# KiCad board poly_kb_wave_left2.kicad_pcb (continued)
## Routing (per net, layer and track width the routed paths; a pad name or vN(x,y) marks a point on that pad's centre or on a via; arc(x,y) is an arc through that point) (continued)
/RpPico/QSPI_SD0: length 13.1
  Bottom w0.229: U9.5 163.85,110.05 164.09,109.8 164.92,109.8 165.33,109.39 165.41,109.33 165.5,109.3 165.54,109.3 165.59,109.3 165.68,109.33 165.76,109.39 165.81,109.46 165.84,109.55 165.85,109.65 165.87,109.74 165.93,109.82 166.01,109.87 166.1,109.9 166.14,109.9 166.29,109.9 166.34,109.9 166.43,109.87 166.51,109.82 166.56,109.74 166.59,109.65 166.6,109.56 166.62,109.47 166.68,109.39 166.76,109.33 166.85,109.3 166.89,109.3 166.94,109.3 167.03,109.33 167.11,109.39 167.16,109.47 167.19,109.56 167.2,109.65 167.22,109.74 167.28,109.82 167.36,109.87 167.45,109.9 167.49,109.9 167.79,109.9 167.91,109.78 167.91,109.02 167.79,108.9 165.3,108.9 164.95,109.25 163.51,109.25 163.43,109.17 163.31,109.17 163.15,109.01 U10.53 ; 163.54,110.6 163.54,110.6
/RpPico/QSPI_SD1: length 13.1
  Bottom w0.229: U9.2 167.77,112.22 168.3,112.22 arc(168.51,112.31) 168.6,112.52 168.6,112.55 arc(168.69,112.77) 168.9,112.85 arc(169.11,112.77) 169.2,112.55 169.2,112.52 arc(169.29,112.31) 169.5,112.22 169.83,111.89 169.83,108.55 169.41,108.12 164.9,108.12 164.71,108.32 164.71,108.32 164.54,108.49 164.17,108.49 163.95,108.27 U10.55
/RpPico/QSPI_SD2: length 13.1
  Bottom w0.229: U10.54 163.55,108.41 164.01,108.87 164.78,108.87 165.14,108.5 168.94,108.5 arc(169.16,108.59) 169.24,108.8 arc(169.16,109.01) 168.94,109.1 168.6,109.1 arc(168.39,109.19) 168.3,109.4 arc(168.39,109.61) 168.6,109.7 169,109.7 arc(169.21,109.79) 169.3,110 arc(169.21,110.21) 169,110.3 168.8,110.3 arc(168.59,110.39) 168.5,110.6 arc(168.59,110.81) 168.8,110.9 168.79,110.9 arc(169.01,110.99) 169.09,111.2 arc(169.01,111.41) 168.79,111.5 168.44,111.5 168.44,111.5 168.34,111.4 U9.3
/RpPico/QSPI_SD3: length 13.1
  Bottom w0.229: U9.7 163.39,112.2 163.14,112.45 163.14,114.05 163.44,114.35 163.44,115.69 163.23,115.9 162.94,115.9 162.74,115.7 162.74,111.5 162.35,111.11 U10.51
/RpPico/QSPI_SS: length 17
  Bottom w0.229: 167.99,113.24 169.21,113.24 170.3,112.15 170.3,108.4 169.55,107.65 164.85,107.65 164.72,107.78 U10.56 ; 167.99,113.24 U9.1 ; 167.99,113.24 167.99,115.09 R21.1 R20.2
/RpPico/RUN: length 294.4
  Top w0.229: 149.49,74.2 148.86,73.56 148.86,63.66 147.59,62.4 v2(147.59,57.6) ; 149.49,74.2 152.35,77.05 152.35,96.55 v2(152.09,96.8) ; 149.49,74.2 149.29,74
  Top w0.254: v2(4.54,81.45) 4.55,81.45 4.55,40.05 16.89,27.7 16.89,24.8 19.49,22.2 68.59,22.2 72.19,18.6 121.19,18.6 125.29,14.5 138.59,14.5 v2(142.59,18.5)
  In2.Cu w0.254: v2(142.59,18.5) 142.59,32.21 147.67,37.28 147.67,57.53 v2(147.59,57.6)
  Bottom w0.229: 155.99,98.8 158.33,98.8 159.95,100.42 U10.26 ; 155.99,98.8 154.09,98.8 v2(152.09,96.8) ; 155.99,98.8 154.69,98.8
  Bottom w0.254: v2(4.54,81.45) 3.2,81.45 SW3.2 2.74,81.9 2.74,86.51 SW3.2
/RpPico/SWCLK: length 10.8
  Bottom w0.229: DBG1.3 158.59,93.12 158.59,97.86 160.75,100.02 U10.24
/RpPico/SWD: length 5.6
  Bottom w0.229: DBG1.1 157.09,96.9 160.35,100.16 U10.25
/RpPico/USB_D+: length 22.5
  Bottom w0.254: 156.3,113.75 158.86,111.19 160.57,111.19 R22.1 ; 161.75,119.5 161.75,117.46 162.04,117.18 U11.10 U11.1 162.04,112.66 R22.1 ; R22.1 160.62,112.5 160.62,113.83 160.43,114.02 160.43,114.52 160.54,114.63 U11.4 U11.7 160.54,117.1 160.75,117.31 160.75,119.5
/RpPico/USB_D-: length 17.1
  Top w0.254: v2(160.04,112.89) 160.07,112.93 v2(161.24,112.93)
  Bottom w0.254: 160.25,119.5 160.25,117.39 160.04,117.18 U11.6 U11.5 160.02,115.79 160.02,113.82 ; 160.02,113.82 160.02,113.13 ; 160.02,113.82 159.97,113.77 158.93,113.77 ; v2(161.24,112.93) 161.24,113.66 161.62,114.04 161.62,114.54 161.54,114.63 U11.2 U11.9 161.54,117.1 161.25,117.39 161.25,119.5 ; 160.04,113.12 160.04,112.16 R23.1 ; v2(160.04,112.89) 160.02,112.88
/RpPico/XIN: length 5.9
  Bottom w0.229: 163.13,97.27 162.35,98.05 U10.20 ; 163.13,97.27 163.1,97.24 Y1.1 ; 163.13,97.27 C3.2
/RpPico/XOUT: length 5.2
  Bottom w0.229: U10.21 161.95,97.43 161.24,96.72 R19.2
/RpPico/~{USB_BOOT}: length 217.9
  Top w0.25: v2(87.09,125.3) 86.19,126.2 67.89,126.2 66.29,124.6 50.59,124.6 47.99,122 34.62,122 32.62,120 16.09,120 15.34,119.25 ; v2(167.32,117.48) 167.32,121.87 166.29,122.9 153.63,122.9 151.62,124.91 111.18,124.91 110.39,125.7 100.09,125.7 94.99,120.6 v2(94.29,120.6)
  Top w0.254: 15.34,119.25 4.72,108.63 4.72,83.33 3.64,82.25 3.64,80.35 v2(3.89,80.1)
  Bottom w0.25: v2(167.32,117.48) 167.34,117.46 R21.2 ; v2(94.29,120.6) 90.29,120.6 87.99,122.9 87.99,124.4 v2(87.09,125.3)
  Bottom w0.254: v2(3.89,80.1) 3.07,79.28 SW2.2 2.74,78.71 2.74,74.1 SW2.2
/SCLK1: length 134.7
  In1.Cu w0.3: v2(26.39,45.1) 26.39,58.37 22.98,61.79 22.98,62.26 ; 22.98,119.41 22.98,118.29 26.39,114.88 26.39,102.77 24.62,101 ; 24.31,62.58 23.22,62.58 22.97,62.33 ; 24.31,62.58 24.97,63.25 ; 24.31,62.58 24.97,63.25 ; 24.31,100.68 24.62,101 ; 24.31,100.68 24.62,101 ; 24.31,100.68 23.22,100.68 22.97,100.43 ; 24.97,63.25 26.24,64.52 26.24,77.57 22.98,80.84 22.98,81.31 ; 22.97,81.38 23.22,81.63 24.31,81.63 ; 24.87,82.2 26.39,83.72 26.39,96.47 22.98,99.89 22.98,100.36 ; 24.87,82.2 24.31,81.63 ; 24.87,82.2 24.31,81.63
  In2.Cu w0.254: v2(22.97,100.36) 22.21,99.6 19.99,99.6 18.89,100.7 13.89,100.7 9.79,104.8 v2(6.29,104.8)
  Bottom w0.254: U15.4 v2(6.29,104.8) ; J30.11 25.6,41.01 26.39,41.8 v2(26.39,45.1)
  Bottom w0.3: v2(22.97,100.36) 20.85,98.24 20.85,96.45 ; 20.85,115.5 20.85,117.29 v2(22.97,119.41) ; 20.85,58.35 20.85,60.14 v2(22.97,62.26) ; v2(22.97,81.31) 20.85,79.19 20.85,77.4
/SCLK2: length 134.1
  In1.Cu w0.3: 46.78,62.26 46.78,61.09 50.19,57.68 50.19,45.62 v2(49.48,44.91) ; 48.11,100.68 48.42,101 ; 48.42,101 50.19,102.77 50.19,115.52 46.78,118.94 46.78,119.41 ; 48.42,101 47.9,100.48 46.82,100.48 46.77,100.43 ; 46.77,62.33 46.82,62.38 47.9,62.38 48.77,63.25 ; 48.11,81.63 48.67,82.2 ; 48.67,82.2 50.19,83.72 50.19,95.68 46.78,99.1 46.78,100.36 ; 48.67,82.2 47.87,81.4 46.93,81.4 v2(46.74,81.22) ; 48.77,63.25 50.19,64.67 50.19,76.48 46.78,79.9 46.78,81.31 ; 48.77,63.25 48.11,62.58
  Bottom w0.254: J31.11 44.65,41.04 47.81,44.2 48.77,44.2 v2(49.48,44.91)
  Bottom w0.3: v2(46.74,81.22) 46.68,81.22 44.65,79.19 44.65,77.4 ; 44.65,115.5 44.65,117.29 v2(46.77,119.41) 46.77,120.33 44.69,122.4 36.49,122.4 35.28,121.19 35.28,120.15 34.78,119.65 32.85,119.65 U13.4 ; v2(46.77,62.26) 44.65,60.14 44.65,58.35 ; 44.65,96.45 44.65,98.24 v2(46.77,100.36)
/SCLK3: length 129.9
  Top w0.254: v2(54.09,121.9) 54.79,122.6 65.03,122.6 v2(65.82,121.81)
  In1.Cu w0.3: 65.83,83.71 65.83,83.24 69.24,79.82 69.24,67.07 67.82,65.65 ; 67.16,64.98 67.82,65.65 ; 67.16,64.98 66.07,64.98 65.82,64.73 ; 67.16,64.98 67.82,65.65 ; 67.16,103.08 66.07,103.08 65.82,102.83 ; 67.16,103.08 67.47,103.4 ; 67.16,103.08 67.47,103.4 ; 67.16,84.03 67.72,84.6 ; 67.16,84.03 67.72,84.6 ; 67.16,84.03 66.07,84.03 65.82,83.78 ; 67.72,84.6 69.24,86.12 69.24,98.87 65.83,102.29 65.83,102.76 ; 67.47,103.4 69.24,105.17 69.24,117.92 65.83,121.34 65.83,121.81 ; 69.24,48.02 69.24,48.4 ; 69.24,48.4 69.24,60.77 65.83,64.19 65.83,64.66 ; 69.24,48.4 v2(69.24,47.35)
  Bottom w0.254: v2(69.24,47.35) 68.49,46.6 66.99,46.6 63.7,43.31 J32.11 ; U17.4 54.04,121.85 v2(54.09,121.9)
  Bottom w0.3: v2(65.82,64.66) 63.7,62.54 63.7,60.75 ; 63.7,117.9 63.7,119.69 v2(65.82,121.81) ; v2(65.82,102.76) 63.7,100.64 63.7,98.85 ; v2(65.82,83.71) 63.7,81.59 63.7,79.8
/SCLK4: length 127.6
  In1.Cu w0.3: v2(88.19,50) 88.29,50.1 88.29,50.95 ; 84.87,105.18 84.89,105.2 85.97,105.2 86.52,105.75 ; 88.29,50.95 88.29,62.23 84.88,65.65 84.88,67.01 ; 88.29,50.95 88.29,50.37 ; 84.88,105.11 84.88,103.97 88.29,100.56 88.29,88.47 86.77,86.95 ; 86.52,105.75 88.29,107.52 88.29,120.27 84.88,123.69 84.88,124.16 ; 86.52,105.75 86.21,105.43 ; 86.87,68 86.6,68 85.76,67.15 84.94,67.15 84.87,67.08 ; 86.87,68 88.29,69.42 88.29,81.53 84.88,84.95 84.88,86.06 ; 86.87,68 86.21,67.33 ; 86.77,86.95 85.98,86.15 84.89,86.15 84.87,86.13 ; 86.77,86.95 86.21,86.38
  Bottom w0.254: v2(84.85,124.24) 83.59,125.5 U19.4
  Bottom w0.3: v2(84.87,86.05) 84.85,86.05 82.75,83.95 82.75,82.15 ; v2(84.87,105.05) 84.8,105.05 82.75,103 82.75,101.2 ; v2(84.85,124.24) 84.85,124.15 82.75,122.05 82.75,120.25 ; 82.75,63.1 82.75,64.89 84.85,66.99 v2(84.85,67) ; v2(88.19,50) 87.24,49.05 86.04,49.05 82.75,45.76 82.75,44.07
/SCLK5: length 127
  In1.Cu w0.3: 105.26,64.97 104.17,64.97 103.92,64.72 ; 105.26,64.97 105.92,65.63 ; 105.26,64.97 105.92,65.63 ; 103.93,102.74 103.93,102.27 107.34,98.86 107.34,86.11 105.82,84.58 ; 105.26,103.07 105.57,103.38 ; 105.26,103.07 104.17,103.07 103.92,102.81 ; 105.26,103.07 105.57,103.38 ; 105.57,103.38 107.34,105.16 107.34,117.91 103.93,121.32 103.93,121.79 ; 103.92,83.77 104.17,84.02 105.26,84.02 ; 105.26,84.02 105.82,84.58 ; 105.26,84.02 105.82,84.58 ; 103.93,64.64 103.93,64.17 107.34,60.76 107.34,46.3 v2(113.91,39.72) ; 103.93,83.69 103.93,83.22 107.34,79.81 107.34,67.06 105.92,65.63
  Bottom w0.254: v2(103.92,121.8) 105.43,123.3 U21.4
  Bottom w0.3: J26.11 101.8,62.52 v2(103.92,64.65) ; J19.11 101.8,81.57 v2(103.92,83.7) ; J12.11 101.8,100.62 v2(103.92,102.75) ; J5.11 101.8,119.67 v2(103.92,121.8) ; v2(113.91,39.72) 113.92,39.71 113.92,36.08 J34.11
/SCLK6: length 132.7
  In1.Cu w0.3: 124.87,82.2 124.25,81.58 123.17,81.58 122.97,81.38 ; 124.87,82.2 124.31,81.63 ; 124.87,82.2 126.39,83.72 126.39,96.16 122.98,99.58 122.98,100.36 ; 122.98,62.26 122.98,61.79 126.39,58.37 126.39,42.42 132.42,36.4 136.7,36.4 v2(137.89,35.2) ; 122.97,100.43 123.22,100.68 124.31,100.68 ; 124.31,62.58 124.97,63.25 ; 124.31,62.58 124.97,63.25 ; 124.31,62.58 123.22,62.58 122.97,62.33 ; 124.97,63.25 126.39,64.67 126.39,76.73 122.98,80.14 122.98,81.31 ; 124.62,101 126.39,102.77 126.39,115.52 122.98,118.94 122.98,119.41 ; 124.62,101 124.31,100.68 ; 124.62,101 124.31,100.68
  Bottom w0.254: U23.4 124.81,121.25 v2(122.97,119.41)
  Bottom w0.3: v2(137.89,35.2) 137.89,32.8 J35.11 ; v2(122.97,100.36) 120.85,98.24 120.85,96.45 ; 120.85,115.5 120.85,117.29 v2(122.97,119.41) ; 120.85,58.35 120.85,60.14 v2(122.97,62.26) ; 120.85,77.4 120.85,79.19 v2(122.97,81.31)
/SCLK7: length 165.5
  In1.Cu w0.254: v2(165.99,28.4) 168.19,30.9 172.39,42.7 v2(170.19,48.6)
  In1.Cu w0.3: 142.03,100.36 142.03,99.89 145.44,96.47 145.44,83.72 143.92,82.2 ; 142.02,119.48 142.27,119.73 147.63,119.73 v2(147.99,120.1) ; 143.36,100.68 142.27,100.68 142.02,100.43 ; 143.36,100.68 143.67,101 ; 143.36,100.68 143.67,101 ; 143.67,101 144.59,101.92 144.59,105.5 145.44,106.35 145.44,115.52 142.03,118.94 142.03,119.41 ; 145.44,64.67 145.44,65.1 ; 145.44,65.1 145.44,62.71 143.6,60.87 v2(143.6,56.9) 143.6,56.2 143.69,55.7 144.19,55.2 161.19,50.7 162.49,51.2 v2(170.19,48.6) ; 145.44,65.1 145.44,77.42 142.03,80.84 142.03,81.31 ; 143.36,81.63 143.92,82.2 ; 143.36,81.63 142.27,81.63 142.02,81.38 ; 143.36,81.63 143.92,82.2
  Bottom w0.254: v2(165.99,28.4) 165.69,28.3 159.79,25.7 J36.11 ; U25.4 v2(147.99,120.1)
  Bottom w0.3: J28.11 143.65,54.8 143.65,54.81 143.65,56.85 v2(143.6,56.9) ; v2(142.02,119.41) 139.9,117.29 139.9,115.5 ; v2(142.02,81.31) 139.9,79.19 139.9,77.4 ; v2(142.02,100.36) 139.9,98.24 139.9,96.45 ; v2(170.19,48.6) 170.21,48 170.21,47.6 169.99,47.2 167.89,46.4 J29.11
/SDIN1: length 115.8
  In1.Cu w0.3: v2(23.75,81.01) 23.75,81 26.69,78.06 26.69,64.14 24.73,62.17 ; 24.5,61.95 24.73,62.17 ; 24.5,61.95 23.76,61.95 ; 24.5,61.95 24.73,62.17 ; 25.23,100.77 26.92,102.46 26.92,115.23 23.76,118.39 23.76,119.1 ; 25.23,100.77 24.51,100.06 v2(23.75,100.06) 23.75,100.05 26.92,96.89 26.92,83.41 24.9,81.4 ; 25.23,100.77 24.5,100.05 ; 24.9,81.4 24.5,81 ; 24.9,81.4 24.5,81 ; 24.39,81 24.19,81 ; 24.19,81 24.5,81 ; 24.19,81 23.76,81 ; v2(23.75,61.95) 26.92,58.79 26.92,46.48 v2(27.09,46.3)
  Bottom w0.254: v2(23.75,119.1) 23.75,119.37 24.53,120.15 U14.4 ; J30.12 26.1,40.93 26.99,41.83 26.99,46.2 v2(27.09,46.3)
  Bottom w0.3: v2(23.75,119.1) 23.45,118.81 23.1,118.81 21.35,117.06 21.35,115.5 ; v2(23.75,61.95) 23.45,61.66 23.1,61.66 21.35,59.91 21.35,58.35 ; v2(23.75,81.01) 23.45,80.71 23.1,80.71 21.35,78.96 21.35,77.4 ; 21.35,96.45 21.35,98.01 23.1,99.76 23.45,99.76 v2(23.75,100.06)
/SDIN2: length 119.4
  In1.Cu w0.3: 48.63,62.27 50.72,64.36 50.72,76.71 47.56,79.87 v2(47.56,80.8) 48.1,80.8 49.34,82.04 ; 48.63,62.27 48.3,61.95 ; 48.63,62.27 48.13,61.77 v2(47.55,61.77) 47.55,61.15 50.72,57.98 50.72,45.95 ; 47.56,119.1 47.6,119.1 50.72,115.98 50.72,102.46 49.77,101.51 ; 48.53,100.27 49.77,101.51 ; 49.77,101.51 48.11,99.85 v2(47.55,99.85) 47.55,99.1 50.72,95.94 50.72,83.41 49.34,82.04 ; 49.34,82.04 48.3,81 ; 50.72,45.95 50.72,44.93 v2(50.69,44.9) ; 50.72,45.95 50.72,45.31
  Bottom w0.254: v2(47.55,119.1) 47.55,119.74 48.71,120.9 U12.4 ; v2(50.69,44.9) 49.59,43.8 47.98,43.8 45.15,40.97 J31.12
  Bottom w0.3: 45.15,58.35 45.15,59.91 46.9,61.66 47.43,61.66 v2(47.55,61.77) ; 45.15,77.4 45.15,78.96 46.8,80.61 47.38,80.61 v2(47.56,80.8) ; 45.15,96.45 45.15,98.01 46.9,99.76 47.45,99.76 v2(47.55,99.85) ; 45.15,115.5 45.15,117.06 46.9,118.81 47.25,118.81 v2(47.55,119.1)
/SDIN3: length 119
  In1.Cu w0.3: v2(70.01,48.35) 69.77,48.59 69.77,61.19 v2(66.6,64.35) 67.36,64.35 68.65,65.65 ; 68.65,65.65 69.77,66.76 69.77,80.24 v2(66.6,83.4) 66.78,83.58 67.54,83.58 69.77,85.81 69.77,99.29 v2(66.6,102.45) 67.36,102.45 68.05,103.15 ; 68.65,65.65 67.35,64.35 ; 68.05,103.15 69.77,104.86 69.77,118.33 66.61,121.49 66.61,121.5 ; 68.05,103.15 67.35,102.45
  Bottom w0.254: J32.12 64.2,43.23 67.11,46.15 68.87,46.15 70.01,47.29 v2(70.01,48.35) ; U16.4 67.59,123.2 66.6,122.21 v2(66.6,121.5)
  Bottom w0.3: 64.2,98.85 64.2,100.41 65.95,102.16 66.3,102.16 v2(66.6,102.45) ; 64.2,79.8 64.2,81.36 65.95,83.11 66.3,83.11 v2(66.6,83.4) ; 64.2,117.9 64.2,119.46 65.95,121.21 66.3,121.21 v2(66.6,121.5) ; 64.2,60.75 64.2,62.31 65.95,64.06 66.3,64.06 v2(66.6,64.35)
/SDIN4: length 145.1
  In1.Cu w0.3: 88.82,50.75 88.82,62.69 85.65,65.85 v2(85.65,66.55) 86.15,66.55 87.3,67.7 ; 88.82,50.75 88.82,49.38 v2(88.79,49.35) ; 88.82,50.75 88.82,50.16 ; 88.82,115 88.82,107.31 86.75,105.25 ; 88.82,115 88.82,114.68 v2(88.99,114.5) ; 88.82,115 88.82,120.68 85.66,123.84 85.66,123.95 ; 86.73,86.17 88.82,88.26 88.82,100.79 85.65,103.95 v2(85.65,104.6) 86.1,104.6 86.75,105.25 ; 86.73,86.17 86.4,85.85 ; 86.73,86.17 86.1,85.55 v2(85.65,85.55) 85.65,85.05 88.82,81.89 88.82,69.21 87.3,67.7 ; 87.3,67.7 86.4,66.8 ; 86.4,104.9 86.75,105.25
  In2.Cu w0.254: v2(109.49,118) 108.59,118.9 101.59,118.9 98.89,116.2 93.99,116.2 92.29,114.5 v2(88.99,114.5)
  Bottom w0.254: v2(109.49,118) 111.4,119.91 111.4,123.55 U18.4
  Bottom w0.3: 83.25,120.35 83.25,121.91 85,123.66 85.32,123.66 v2(85.57,123.9) ; 83.25,82.25 83.25,83.7 84.95,85.4 85.51,85.4 v2(85.65,85.55) ; 83.25,101.3 83.25,102.86 84.83,104.44 85.49,104.44 v2(85.65,104.6) ; 83.25,63.2 83.25,64.65 84.98,66.39 85.49,66.39 v2(85.65,66.55) ; v2(88.79,49.35) 88.04,48.6 86.23,48.6 83.25,45.62 83.25,44.07
/SDIN5: length 131.7
  In1.Cu w0.3: v2(114.79,39.7) 107.87,46.63 107.87,61.17 v2(104.7,64.34) 105.46,64.34 106.46,65.34 ; 106.46,65.34 105.45,64.33 ; 106.46,65.34 107.87,66.75 107.87,80.22 v2(104.7,83.39) 105.46,83.39 106.58,84.51 ; 105.45,83.38 106.58,84.51 ; 106.58,84.51 107.87,85.8 107.87,99.27 v2(104.7,102.44) 105.46,102.44 106.61,103.59 ; 106.61,103.59 107.87,104.85 107.87,118.32 v2(104.7,121.49) ; 106.61,103.59 105.45,102.43
  Bottom w0.254: U20.4 110.2,121.25 109.11,122.35 105.31,122.35 104.7,121.74 v2(104.7,121.49)
  Bottom w0.3: J19.12 102.3,81.34 104.05,83.09 104.4,83.09 v2(104.7,83.39) ; J5.12 102.3,119.44 104.05,121.19 104.4,121.19 v2(104.7,121.49) ; v2(104.7,102.44) 104.4,102.14 104.05,102.14 102.3,100.39 J12.12 ; v2(104.7,64.34) 104.4,64.04 104.05,64.04 102.3,62.29 J26.12 ; v2(114.79,39.7) 114.39,39.3 114.39,35.81 114.4,35.8 J34.12
/SDIN6: length 135.1
  In1.Cu w0.3: 124.9,81.4 126.92,83.41 126.92,96.28 123.75,99.45 v2(123.75,100.05) 124.51,100.05 125.18,100.72 ; 124.9,81.4 124.5,81 ; 124.9,81.4 124.5,81 ; 124.5,100.05 125.18,100.72 ; 125.18,100.72 126.92,102.46 126.92,115.98 123.8,119.1 123.76,119.1 ; 125.33,62.77 124.51,61.96 v2(123.75,61.96) 126.92,58.79 126.92,42.54 132.61,36.85 137.35,36.85 v2(138.39,35.8) ; 125.33,62.77 124.5,61.95 ; 125.33,62.77 126.92,64.36 126.92,77.03 123.75,80.2 v2(123.75,80.97) ; 124.5,81 123.76,81
  Bottom w0.254: U22.4 127.79,120.1 124.49,120.1 123.75,119.36 v2(123.75,119.1)
  Bottom w0.3: 121.35,58.35 121.35,59.91 123.1,61.66 123.45,61.66 v2(123.75,61.96) ; v2(123.75,80.97) 123.49,80.71 123.1,80.71 121.35,78.96 121.35,77.4 ; 121.35,115.5 121.35,117.06 123.1,118.81 123.45,118.81 v2(123.75,119.1) ; v2(123.75,100.05) 123.45,99.76 123.1,99.76 121.35,98.01 121.35,96.45 ; J35.12 138.49,33.1 138.5,33.11 138.5,35.7 v2(138.39,35.8)
/SDIN7: length 160.8
  In1.Cu w0.254: v2(170.89,49.1) 172.89,42.6 168.69,30.6 166.59,28 v2(165.59,27.6)
  In1.Cu w0.3: 144.57,101.03 145.2,101.66 145.2,105.03 145.97,105.8 145.97,115.94 142.81,119.1 ; 144.57,101.03 143.58,100.05 143.55,100.05 ; 144.57,101.03 143.59,100.05 v2(142.8,100.05) 145.97,96.89 145.97,83.41 144.03,81.47 ; 144.03,81.47 143.56,81.01 v2(142.8,81.01) 145.97,77.84 145.97,62.58 144.29,60.9 v2(144.29,56.1) 145.29,56.1 149.89,55.3 159.89,52.8 v2(170.89,49.1) ; 144.03,81.47 143.55,81
  Bottom w0.254: J36.12 160.19,25.3 v2(165.59,27.6)
  Bottom w0.3: J29.12 168.19,45.8 170.28,46.82 170.69,47.4 170.89,48.2 v2(170.89,49.1) ; v2(144.29,56.1) 144.29,55.5 J28.12 ; v2(142.8,81.01) 142.5,80.71 142.15,80.71 140.4,78.96 140.4,77.4 ; 140.4,115.5 140.4,117.06 142.15,118.81 142.5,118.81 v2(142.8,119.1) 142.8,120.61 143.69,121.5 U24.4 ; 140.4,96.45 140.4,98.01 142.15,99.76 142.5,99.76 v2(142.8,100.05)
/ShiftRegisters/Carry1: length 29.7
  In1.Cu w0.254: v2(32.67,84.35) 32.67,89.83 31.49,91 31.49,95.55 29.39,97.65 29.39,108 v2(29.79,108.4)
  Bottom w0.254: v2(32.67,84.35) 32.62,84.3 U5.14 ; v2(29.79,108.4) 30.6,107.6 U4.9
/ShiftRegisters/Carry2: length 37.4
  In1.Cu w0.254: v2(30.19,88.8) 30.79,88.2 31.39,88.2 31.79,87.8 31.79,84.35 32.74,83.4 33.94,83.4 34.24,83.1 34.24,81.35 36.39,79.2 36.39,74.7 31.44,69.75 31.44,62.5 v2(31.49,62.45)
  Bottom w0.254: v2(31.49,62.45) 31.64,62.45 31.94,62.75 31.94,64.57 31.85,64.67 U6.14
  Bottom w0.3: U5.9 30.64,88.36 v2(30.19,88.8)
/ShiftRegisters/Carry3: length 98.3
  In1.Cu w0.254: v2(29.09,69.45) 28.49,68.85 28.49,61.55 29.09,60.95 29.09,33.8 30.79,32.1 30.79,27.45 34.99,23.25 69.24,23.25 v2(72.04,20.45)
  Bottom w0.254: v2(72.04,20.45) 77.84,20.45 78.42,21.03 U7.14
  Bottom w0.3: U6.9 30.6,67.6 30.59,67.6 29.09,69.1 v2(29.09,69.45)
/ShiftRegisters/Carry4: length 11.6
  Bottom w0.3: U7.9 81.28,23.05 85.44,18.9 86.45,18.9 88.51,20.96 U8.14
Col1: length 329.3
  Top w0.229: v2(146.39,58.5) 146.39,62 148.47,64.08 148.47,73.72 151.97,77.21 151.97,90.93 v2(151.39,91.5) ; v2(141.69,18.8) 141.59,18.7 141.59,18.1 138.39,14.9 125.49,14.9 121.39,19 92.79,19 v2(92.59,19.2)
  In1.Cu w0.3: v2(9.45,102.3) v2(9.45,87.3) 9.45,67.06 v2(9.7,66.8) 9.45,66.55 9.45,41.53 v2(10.23,40.74)
  In2.Cu w0.229: v2(141.69,18.8) 141.97,19.08 141.97,32.15 147.27,37.45 147.27,56.36 146.39,57.24 v2(146.39,58.5)
  Bottom w0.229: 166.93,89.37 166.81,89.37 ; 166.93,89.37 166.91,89.39 157.49,89.39 ; 166.93,89.37 167.42,89.37 168.03,89.98 168.03,96.84 ; 168.03,96.84 168.03,96.67 ; 168.03,96.84 168.03,97.37 167.68,97.72 167.68,100.97 166.51,102.15 166.03,102.15 ; 157.49,89.39 153.5,89.39 v2(151.39,91.5) ; 157.49,89.39 157.17,89.39 ; v2(92.59,19.2) 91.87,18.48 78.74,18.48 78.19,19.03 71.9,19.03 68.35,22.58 20.61,22.58 17.84,25.35 ; 166.03,102.15 166.24,102.15 ; 166.03,102.15 U10.13
  Bottom w0.254: D1_8.1 9.59,86.2 9.45,86.35 v2(9.45,87.3) ; D1_1.1 9.39,102.35 v2(9.45,102.3)
  Bottom w0.3: D1_22.1 9.34,41.63 v2(10.23,40.74) 10.23,39.96 13.45,36.74 D1_30.1 ; D1_30.1 14.21,36.72 ; D1_30.1 14.23,31.17 17.69,27.7 17.69,25.5 17.84,25.35 ; D1_15.1 v2(9.7,66.8)
Col2: length 260.3
  Top w0.229: v2(67.69,74.7) 70.09,74.7 75.09,79.7 78.39,79.7 80.39,77.7 81.49,77.7 82.59,76.6 86.49,76.6 87.39,77.5 96.99,77.5 98.99,75.5 100.29,75.5 101.69,74.1 104.19,74.1 104.99,74.9 116.39,74.9 119.09,72.2 129.39,72.2 132.39,75.2 v2(137.59,75.2)
  In1.Cu w0.3: v2(33.26,112.08) v2(33.26,93.03) 36.09,90.2 36.09,82.35 37.76,80.68 37.76,74.35 ; 37.76,74.35 33.26,69.85 v2(33.26,69.6) v2(33.26,49.6) 33.26,45.3 34.79,43.77 34.79,32.4 v2(33.19,30.8) ; 37.76,74.35 40.15,74.35 42.29,72.2 47.09,72.2 47.49,71.8 v2(47.99,71.8)
  In2.Cu w0.229: 156.79,87.65 152.84,87.65 143.79,78.6 141.09,78.6 137.69,75.2 v2(137.59,75.2) ; 156.79,87.65 156.15,87.65 ; 156.79,87.65 167.69,87.65 169.46,89.41 169.46,98.41 v3(167.13,100.74)
  In2.Cu w0.3: v2(67.69,74.7) 66.89,74.7 65.39,73.2 65.39,70.8 63.19,68.6 53.19,68.6 52.49,67.9 50.99,67.9 50.39,68.5 50.39,69.9 48.49,71.8 v2(47.99,71.8)
  Bottom w0.229: 165.71,101.75 U10.14 165.91,101.75 166.92,100.74 v3(167.13,100.74)
  Bottom w0.254: v2(33.26,49.6) 33.24,49.59 D1_23.1 ; D1_16.1 33.19,69.54 v2(33.26,69.6)
  Bottom w0.3: D1_9.1 33.26,93.87 v2(33.26,93.03) ; D1_31.1 33.19,29.55 v2(33.19,30.8) ; v2(33.26,112.08) 33.26,112.92 D1_2.1
Col3: length 298.1
  Top w0.229: v2(145.79,57.1) 145.79,62 148.09,64.3 148.09,74 151.39,77.3 v2(151.39,87.5)
  In1.Cu w0.254: v2(53.29,52.3) 54.29,53.3 54.29,69.12 v2(52.31,71.1) ; v2(53.29,89.8) 55.39,91.9 55.39,104.34 v2(52.33,107.4)
  In1.Cu w0.3: v2(52.31,71.1) 52.31,88.82 v2(53.29,89.8) ; v2(53.29,52.3) 54.29,51.3 v2(54.29,30.2)
  In2.Cu w0.229: 156.89,88.03 156.33,88.03 ; 156.89,88.03 151.92,88.03 v2(151.39,87.5) ; 156.89,88.03 167.54,88.03 169.08,89.57 169.08,98.1 166.42,100.75 v3(166.08,100.75) ; v2(138.09,12.8) 139.49,14.2 139.49,17.6 141.59,19.7 141.59,32.3 146.89,37.6 146.89,56 v2(145.79,57.1)
  In2.Cu w0.3: v2(54.29,30.2) 54.29,24.3 v2(57.79,20.8)
  Bottom w0.229: U10.15 165.93,100.91 v3(166.08,100.75) ; v2(138.09,12.8) 137.37,13.53 124.17,13.53 120.69,17 103.49,17 102.39,18.1 78.59,18.1 78.04,18.65 71.64,18.65 69.49,20.8 v2(57.79,20.8)
  Bottom w0.254: D1_24.1 52.33,51.34 v2(53.29,52.3) ; D1_10.1 52.33,88.84 v2(53.29,89.8) ; D1_3.1 v2(52.33,107.4) ; v2(52.31,71.1) 52.34,71.07 D1_17.1
  Bottom w0.3: D1_32.1 54.29,30.25 v2(54.29,30.2)
Col4: length 204.5
  Top w0.254: v2(72.39,92.5) 74.49,90.4 87.49,90.4 93.49,96.4 97.69,96.4 100.29,93.8 116.29,93.8 118.79,91.3 129.79,91.3 132.39,93.9 134.99,93.9 137.39,91.5 139.49,91.5 v2(140.79,90.2)
  In1.Cu w0.254: v2(72.39,92.5) 73.19,91.7 73.19,74.5 v2(72.29,73.6) 73.19,72.7 73.19,55.5 v2(72.29,54.6)
  In1.Cu w0.3: v2(71.36,35.3) 73.19,37.14 73.19,53.7 v2(72.29,54.6) ; v2(72.39,92.5) 72.39,100.9 71.36,101.94 v2(71.36,109)
  In2.Cu w0.229: v3(165.59,100.19) 166.44,100.19 168.7,97.94 168.7,89.73 167.38,88.41 157.19,88.41 ; 157.19,88.41 150.1,88.41 v2(150.09,88.4) ; 157.19,88.41 156.49,88.41
  Bottom w0.229: v3(165.59,100.19) 164.18,100.19 163.95,100.42 U10.16 ; v2(140.79,90.2) 140.89,90.1 148.39,90.1 v2(150.09,88.4)
  Bottom w0.254: D1_18.1 71.38,72.69 v2(72.29,73.6) ; v2(72.39,92.5) 71.34,91.45 D1_11.1 ; D1_4.1 71.34,109.02 v2(71.36,109) ; D1_25.1 71.38,53.69 v2(72.29,54.6)
  Bottom w0.3: v2(71.36,35.3) 71.44,35.22 D1_33.1
Col5: length 185.3
  Top w0.229: 140.09,85.7 140.59,86.2 v2(141.09,86.2)
  Top w0.254: v2(90.41,87.5) 108.59,87.5 110.39,85.7 140.09,85.7
  In1.Cu w0.3: v2(102.12,31.88) 93.79,40.21 v2(93.79,40.25) ; v2(90.41,108.1) 92.09,106.42 92.09,96.2 v2(91.29,95.4) 90.41,94.52 90.41,77.19 v2(91.29,76.3) 91.99,75.6 91.99,58.9 v2(90.41,57.31)
  In2.Cu w0.229: v3(165.92,99.68) 166.42,99.68 168.32,97.78 168.32,89.9 167.81,89.39 165.19,89.39 165.02,89.22 147.51,89.22 143.49,85.2 142.09,85.2 v2(141.09,86.2)
  Bottom w0.229: U10.17 163.55,100.28 164.05,99.78 165.16,99.78 165.27,99.68 v3(165.92,99.68)
  Bottom w0.254: v2(90.41,108.1) 90.39,108.12 D1_5.1
  Bottom w0.3: D1_19.1 90.43,77.17 v2(91.29,76.3) ; D1_34.1 102.2,32.71 v2(102.12,31.88) ; v2(91.29,95.4) 90.43,96.27 D1_12.1 ; v2(93.79,40.25) 93.49,40.55 93.49,48.05 90.41,51.14 v2(90.41,57.31) 90.41,58.15 D1_26.1
Col6: length 170.8
  Top w0.254: v2(143.39,85.91) 142.78,85.3 111.69,85.3 v2(111.09,84.7)
  In1.Cu w0.254: v2(110.39,92.9) 111.09,92.2 v2(111.09,84.7)
  In1.Cu w0.3: v2(125.46,29.66) 125.46,32.14 109.49,48.1 109.49,54.89 v2(109.46,54.93) 111.19,56.67 111.19,73.1 v2(110.39,73.9) 111.19,74.7 111.19,84.6 v2(111.09,84.7) ; v2(109.46,112.08) 111.39,110.14 111.39,93.9 v2(110.39,92.9)
  In2.Cu w0.229: 165.53,99.26 165.39,99.4 ; 165.39,99.4 164.56,99.4 164.43,99.27 v3(164.31,99.27) ; 165.39,99.4 165.64,99.15 166.4,99.15 167.94,97.62 167.94,90.05 167.66,89.77 165.03,89.77 164.86,89.6 147.09,89.6 v2(143.39,85.91)
  Bottom w0.229: v3(164.31,99.27) 164.22,99.36 163.93,99.36 163.15,100.15 U10.18
  Bottom w0.3: v2(110.39,73.9) 109.48,74.82 D1_20.1 ; D1_27.1 109.46,55.77 v2(109.46,54.93) ; D1_13.1 109.48,93.82 v2(110.39,92.9) ; D1_35.1 125.65,30.48 v2(125.46,29.66) ; v2(109.46,112.08) 109.46,112.92 D1_6.1
Col7: length 151.4
  Top w0.229: v2(146.79,107.3) 146.69,107.3 146.68,107.29 155.3,107.29 157.14,105.45 157.14,101.25 158.19,100.2 158.49,100.2 159.27,100.98 v3(159.27,101.75)
  In1.Cu w0.3: v2(147.31,24.62) 147.29,24.63 147.29,29 138.99,37.3 132.79,37.3 131.16,38.93 v2(131.16,51.37) 128.51,54.03 128.51,65.32 129.79,66.6 129.79,73.48 v2(129.29,73.98) 128.51,74.77 128.51,84.7 129.39,85.59 v2(129.39,93.03) 129.39,95.22 128.51,96.1 v2(128.51,112.08)